# KiCad board Europe-ergo.kicad_pcb (continued)
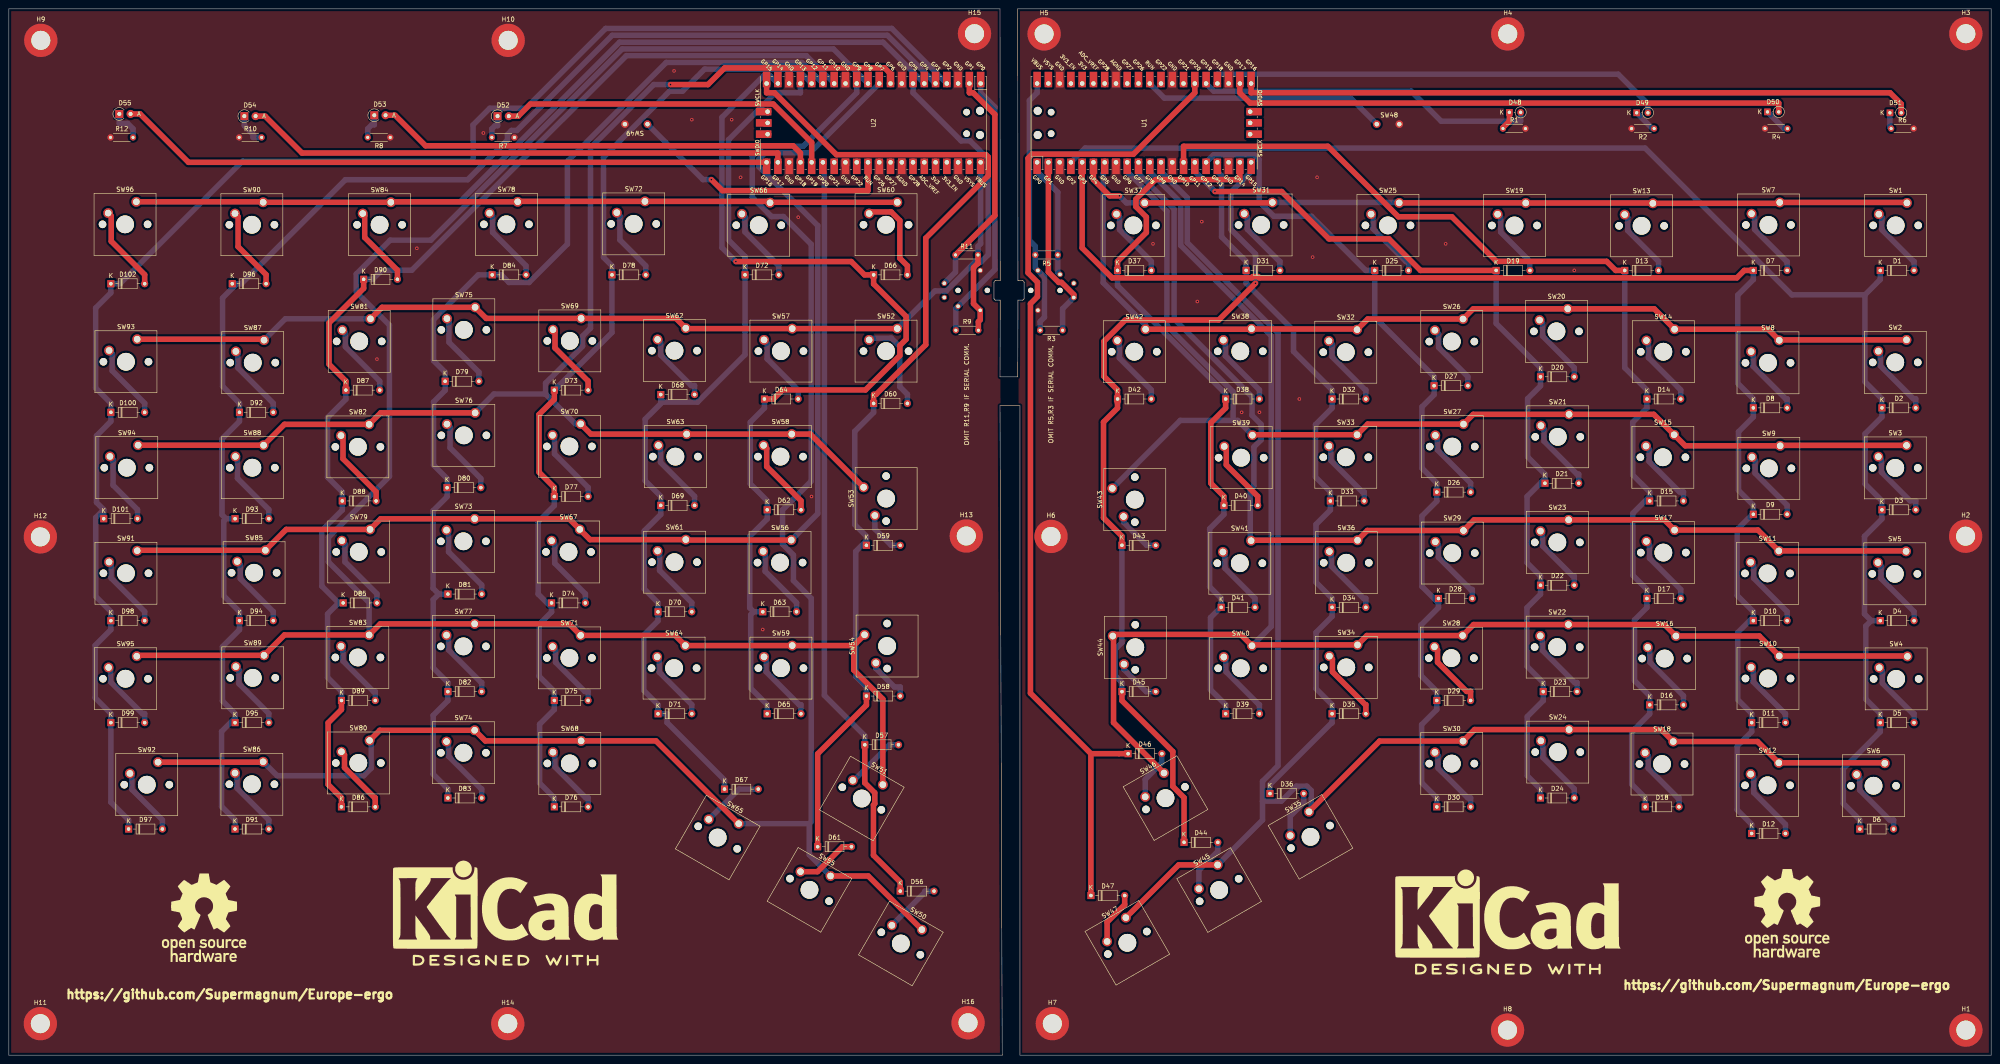
[diagram p0: board, top side]
## Nets
GNDL: H9.1 H10.1 H11.1 H12.1 H13.1 H14.1 H15.1 H16.1 J2.1 R7.1 R8.1 R10.1 R12.1 SW49.2 U2.3 U2.8 U2.13 U2.18 U2.23 U2.28 U2.31 U2.33 U2.38
GNDR: H1.1 H2.1 H3.1 H4.1 H5.1 H6.1 H7.1 H8.1 J1.1 R1.2 R2.2 R4.2 R6.2 SW48.2 U1.3 U1.8 U1.13 U1.18 U1.23 U1.28 U1.33 U1.38
VCCL: J2.4 R9.2 R11.2 U2.40
VCCR: J1.4 R3.2 R5.2 U1.40
/RUN: SW48.1 U1.30
Arrow-Left: D56.1 D57.1 U2.26
Arrow-Right: D46.1 D47.1 U1.26
COL1: D97.1 D98.1 D99.1 D100.1 D101.1 D102.1 U2.4
COL1R: D1.1 D2.1 D3.1 D4.1 D5.1 D6.1 U1.4
COL2: D91.1 D92.1 D93.1 D94.1 D95.1 D96.1 U2.5
COL2R: D7.1 D8.1 D9.1 D10.1 D11.1 D12.1 U1.5
COL3: D85.1 D86.1 D87.1 D88.1 D89.1 D90.1 U2.14
COL3R: D13.1 D14.1 D15.1 D16.1 D17.1 D18.1 U1.14
COL4: D79.1 D80.1 D81.1 D82.1 D83.1 D84.1 U2.15
COL4R: D19.1 D20.1 D21.1 D22.1 D23.1 D24.1 U1.15
COL5: D73.1 D74.1 D75.1 D76.1 D77.1 D78.1 U2.16
COL5R: D25.1 D26.1 D27.1 D28.1 D29.1 D30.1 U1.16
COL6: D67.1 D68.1 D69.1 D70.1 D71.1 D72.1 U2.17
COL6R: D31.1 D32.1 D33.1 D34.1 D35.1 D36.1 U1.17
COL7: D62.1 D63.1 D64.1 D65.1 D66.1 U2.19
COL7R: D37.1 D38.1 D39.1 D40.1 D41.1 U1.19
COL8: D58.1 D59.1 D60.1 D61.1 U2.20
COL8R: D42.1 D43.1 D44.1 D45.1 U1.20
PWM1: D55.2 U2.21
PWM1R: D51.2 U1.21
PWM2: D54.2 U2.22
PWM2R: D50.2 U1.22
PWM3: D53.2 U2.24
PWM3R: D49.2 U1.24
PWM4: D52.2 U2.25
PWM4R: D48.2 U1.25
ROW1: SW60.1 SW66.1 SW72.1 SW78.1 SW84.1 SW90.1 SW96.1 U2.6
ROW1R: SW1.1 SW7.1 SW13.1 SW19.1 SW25.1 SW31.1 SW37.1 U1.6
ROW2: SW52.1 SW57.1 SW62.1 SW69.1 SW75.1 SW81.1 SW87.1 SW93.1 U2.7
ROW2R: SW2.1 SW8.1 SW14.1 SW20.1 SW26.1 SW32.1 SW38.1 SW42.1 U1.7
ROW3: SW53.1 SW58.1 SW63.1 SW70.1 SW76.1 SW82.1 SW88.1 SW94.1 U2.9
ROW3R: SW3.1 SW9.1 SW15.1 SW21.1 SW27.1 SW33.1 SW39.1 SW43.1 U1.9
ROW4: SW56.1 SW61.1 SW67.1 SW73.1 SW79.1 SW85.1 SW91.1 U2.10
ROW4R: SW5.1 SW11.1 SW17.1 SW23.1 SW29.1 SW36.1 SW41.1 U1.10
ROW5: SW51.1 SW54.1 SW59.1 SW64.1 SW71.1 SW77.1 SW83.1 SW89.1 SW95.1 U2.11
ROW5R: SW4.1 SW10.1 SW16.1 SW22.1 SW28.1 SW34.1 SW40.1 SW44.1 SW46.1 U1.11
ROW6: SW50.1 SW55.1 SW65.1 SW68.1 SW74.1 SW80.1 SW86.1 SW92.1 U2.12
ROW6R: SW6.1 SW12.1 SW18.1 SW24.1 SW30.1 SW35.1 SW45.1 SW47.1 U1.12
SCL I2C0: J2.3 R11.1 U2.2
sclR: J1.3 R3.1 U1.2
SDA I2C0: J2.2 R9.1 U2.1
sdaR: J1.2 R5.1 U1.1
Net-(D1-Pad2): D1.2 SW1.2
Net-(D2-Pad2): D2.2 SW2.2
Net-(D3-Pad2): D3.2 SW3.2
Net-(D4-Pad2): D4.2 SW5.2
Net-(D5-Pad2): D5.2 SW4.2
Net-(D6-Pad2): D6.2 SW6.2
Net-(D7-Pad2): D7.2 SW7.2
Net-(D8-Pad2): D8.2 SW8.2
Net-(D9-Pad2): D9.2 SW9.2
Net-(D10-Pad2): D10.2 SW11.2
Net-(D11-Pad2): D11.2 SW10.2
Net-(D12-Pad2): D12.2 SW12.2
Net-(D13-Pad2): D13.2 SW13.2
Net-(D14-Pad2): D14.2 SW14.2
Net-(D15-Pad2): D15.2 SW15.2
Net-(D16-Pad2): D16.2 SW16.2
Net-(D17-Pad2): D17.2 SW17.2
Net-(D18-Pad2): D18.2 SW18.2
Net-(D19-Pad2): D19.2 SW19.2
Net-(D20-Pad2): D20.2 SW20.2
Net-(D21-Pad2): D21.2 SW21.2
Net-(D22-Pad2): D22.2 SW23.2
Net-(D23-Pad2): D23.2 SW22.2
Net-(D24-Pad2): D24.2 SW24.2
Net-(D25-Pad2): D25.2 SW25.2
Net-(D26-Pad2): D26.2 SW27.2
Net-(D27-Pad2): D27.2 SW26.2
Net-(D28-Pad2): D28.2 SW29.2
Net-(D29-Pad2): D29.2 SW28.2
Net-(D30-Pad2): D30.2 SW30.2
Net-(D31-Pad2): D31.2 SW31.2
Net-(D32-Pad2): D32.2 SW32.2
Net-(D33-Pad2): D33.2 SW33.2
Net-(D34-Pad2): D34.2 SW36.2
Net-(D35-Pad2): D35.2 SW34.2
Net-(D36-Pad2): D36.2 SW35.2
Net-(D37-Pad2): D37.2 SW37.2
Net-(D38-Pad2): D38.2 SW38.2
Net-(D39-Pad2): D39.2 SW40.2
Net-(D40-Pad2): D40.2 SW39.2
Net-(D41-Pad2): D41.2 SW41.2
Net-(D42-Pad2): D42.2 SW42.2
Net-(D43-Pad2): D43.2 SW43.2
Net-(D44-Pad2): D44.2 SW45.2
Net-(D45-Pad2): D45.2 SW44.2
Net-(D46-Pad2): D46.2 SW46.2
Net-(D47-Pad2): D47.2 SW47.2
Net-(D48-Pad1): D48.1 R1.1
Net-(D49-Pad1): D49.1 R2.1
Net-(D50-Pad1): D50.1 R4.1
Net-(D51-Pad1): D51.1 R6.1
Net-(D52-Pad1): D52.1 R7.2
Net-(D53-Pad1): D53.1 R8.2
Net-(D54-Pad1): D54.1 R10.2
Net-(D55-Pad1): D55.1 R12.2
Net-(D56-Pad2): D56.2 SW50.2
Net-(D57-Pad2): D57.2 SW51.2
Net-(D58-Pad2): D58.2 SW54.2
Net-(D59-Pad2): D59.2 SW53.2
Net-(D60-Pad2): D60.2 SW52.2
Net-(D61-Pad2): D61.2 SW55.2
Net-(D62-Pad2): D62.2 SW58.2
Net-(D63-Pad2): D63.2 SW56.2
Net-(D64-Pad2): D64.2 SW57.2
Net-(D65-Pad2): D65.2 SW59.2
Net-(D66-Pad2): D66.2 SW60.2
Net-(D67-Pad2): D67.2 SW65.2
Net-(D68-Pad2): D68.2 SW62.2
Net-(D69-Pad2): D69.2 SW63.2
Net-(D70-Pad2): D70.2 SW61.2
Net-(D71-Pad2): D71.2 SW64.2
Net-(D72-Pad2): D72.2 SW66.2
Net-(D73-Pad2): D73.2 SW69.2
Net-(D74-Pad2): D74.2 SW67.2
Net-(D75-Pad2): D75.2 SW71.2
Net-(D76-Pad2): D76.2 SW68.2
Net-(D77-Pad2): D77.2 SW70.2
Net-(D78-Pad2): D78.2 SW72.2
Net-(D79-Pad2): D79.2 SW75.2
Net-(D80-Pad2): D80.2 SW76.2
Net-(D81-Pad2): D81.2 SW73.2
Net-(D82-Pad2): D82.2 SW77.2
Net-(D83-Pad2): D83.2 SW74.2
Net-(D84-Pad2): D84.2 SW78.2
Net-(D85-Pad2): D85.2 SW79.2
Net-(D86-Pad2): D86.2 SW80.2
Net-(D87-Pad2): D87.2 SW81.2
Net-(D88-Pad2): D88.2 SW82.2
Net-(D89-Pad2): D89.2 SW83.2
Net-(D90-Pad2): D90.2 SW84.2
Net-(D91-Pad2): D91.2 SW86.2
Net-(D92-Pad2): D92.2 SW87.2
Net-(D93-Pad2): D93.2 SW88.2
Net-(D94-Pad2): D94.2 SW85.2
Net-(D95-Pad2): D95.2 SW89.2
Net-(D96-Pad2): D96.2 SW90.2
Net-(D97-Pad2): D97.2 SW92.2
Net-(D98-Pad2): D98.2 SW91.2
Net-(D99-Pad2): D99.2 SW95.2
Net-(D100-Pad2): D100.2 SW93.2
Net-(D101-Pad2): D101.2 SW94.2
Net-(D102-Pad2): D102.2 SW96.2
Net-(SW49-Pad1): SW49.1 U2.30

Pads without a net: J1 5; J2 5; U1 27 29 31 32 34 35 36 37 39 41 42 43; U2 27 29 32 34 35 36 37 39 41 42 43

## Via types
v1: diameter 0.8, hole 0.4, Top to Bottom, 27 vias

## Routing (per net, layer and track width the routed paths; a pad name or vN(x,y) marks a point on that pad's centre or on a via; arc(x,y) is an arc through that point)
GNDL:
  vias: v1(83,157) v1(92,182) v1(107,208) v1(150,222) v1(154,211) v1(163,211) v1(165,198) v1(170,96) v1(178,189) v1(181,126)
GNDR:
  vias: v1(258,183) v1(268,170) v1(269,188) v1(278,145) v1(280,197) v1(282,145) v1(291,148) v1(294,180) v1(295,198) v1(324,183) v1(353,177)
VCCL: length 39.4
  Top w1.24: R9.2 218.62,165.44 219.04,165.87 J2.4 217.53,169.51 217.53,177.64 218.44,178.56 218.54,178.56 R11.2
  Bottom w1.24: R11.2 218.54,182.44 219.13,183.03 U2.40
VCCR: length 58.2
  Bottom w1.24: U1.40 231.87,217.07 230.13,215.33 230.13,183.78 231.46,182.44 R5.2 231.46,177.58 J1.4 233.52,175.52 233.52,166.43 232.54,165.44 R3.2
/RUN: length 55
  Bottom w1.24: SW48.1 302.58,215.88 260.56,215.88 U1.30
Arrow-Left: length 171.8
  Top w1.24: D56.1 201,39.04 194.96,45.08 194.96,56.44 195.26,56.74 195.26,59.17 193,61.43 D57.1
  Bottom w1.24: D57.1 193,72.04 183.89,81.15 183.89,198.97 183.57,199.29 U2.26
Arrow-Right: length 227.7
  Top w1.24: 244,68 D47.1 ; 244,68 230.36,81.64 230.36,169.5 231.95,171.09 231.95,174.33 229.83,176.44 229.83,202.3 230.77,203.23 253.59,203.23 267.43,217.07 U1.26 ; 244,68 D46.1
COL1: length 358.9
  Bottom w1.24: 21.38,123.04 19.76,124.66 19.76,139.72 23,142.95 D100.1 23,147.05 19.57,150.47 19.57,168.53 23,171.95 D102.1 25.05,174 52.71,201.67 104.67,201.67 104.67,209.81 108.43,213.57 116.57,213.57 134.58,231.58 199.1,231.58 U2.4 ; 21.38,123.04 D101.1 ; 21.38,123.04 19.58,121.25 19.58,103.46 23,100.04 D98.1 23,95.96 19.46,92.42 19.46,80.58 23,77.04 D99.1 23,57.04 27,53.04 D97.1
COL1R: length 337.4
  Bottom w1.24: 419.95,98 418.44,99.51 418.44,117.02 422.38,120.96 D3.1 422.38,125.04 418.58,128.85 418.58,140.15 422.38,143.95 D2.1 422.38,148.05 418.54,151.89 418.54,171.49 ; 419.95,98 418.74,96.79 418.74,80.3 422,77.04 D5.1 422,72.96 413.67,64.63 413.67,56.75 417.38,53.04 D6.1 ; 419.95,98 D4.1 ; 418.54,171.49 422,174.95 D1.1 ; 418.54,171.49 402.07,171.49 368.96,204.6 242.7,204.6 U1.4
COL2: length 324.9
  Bottom w1.24: D95.1 51,76.02 ; 51,76.02 47.97,72.99 47.97,56.08 51,53.04 D91.1 ; 51,76.02 51,77.04 48.17,79.88 48.17,92.12 52,95.96 D94.1 52,100.04 48.46,103.58 48.46,120.51 48.96,121 ; D93.1 48.96,121 ; 48.96,121 48.06,121.89 48.06,139.02 52,142.95 D92.1 52,147.05 48.19,150.85 48.19,170.79 51.4,174 ; 51.4,174 D96.1 ; 51.4,174 52.43,174 75.89,197.47 103.47,197.47 112.43,206.43 112.43,207.65 113.35,208.57 114.57,208.57 136.05,230.05 198.09,230.05 U2.5
COL2R: length 316.6
  Top w1.24: D7.1 391.33,177 389.66,175.33 282.01,175.33 281.74,175.6 280.5,175.6 280.23,175.33 248.76,175.33 242.03,182.06 U1.5
  Bottom w1.24: 393.38,98.84 393.38,100.04 389.73,103.69 389.73,118.57 393.38,122.22 ; 393.38,98.84 D10.1 ; 393.38,98.84 389.85,95.31 389.85,80.2 393,77.04 D11.1 393,72.96 389.73,69.69 389.73,55.31 393,52.04 D12.1 ; D7.1 393.38,174.95 389.87,171.44 389.87,151.56 393.38,148.05 D8.1 393.38,143.95 390.03,140.61 390.03,127.39 393.38,124.04 393.38,122.22 ; 393.38,122.22 D9.1
COL3: length 265.8
  Top w1.24: D86.1 75,58.04 72,61.05 72,74.95 75,77.96 D89.1 ; D90.1 80,172.95 72.2,165.15 72.2,155.85 76,152.05 D87.1
  Bottom w1.24: D89.1 75,82.04 71.87,85.18 71.87,99.51 74.36,102 ; D85.1 74.36,102 ; 74.36,102 70.58,105.78 70.58,118.34 75.19,122.96 D88.1 75.19,127.04 71.87,130.37 71.87,143.82 76,147.95 D87.1 ; U2.14 179.83,225.45 139.25,225.45 90.85,177.05 84.09,177.05 82.04,175 D90.1
COL3R: length 250.1
  Top w1.24: U1.14 264.89,205 297.44,205 313.33,189.11 325.38,189.11 335.44,179.05 360.29,179.05 362.33,177 D13.1
  Bottom w1.24: D15.1 370,126.02 ; 370,126.02 370,127.04 366.17,130.87 366.17,142.75 369.38,145.95 D14.1 369.38,150.05 364.38,155.05 D13.1 ; 370,126.02 366.22,122.25 366.22,108.2 369.38,105.04 D17.1 369.38,100.96 366.58,98.15 366.58,84.47 370,81.04 D16.1 370,76.96 365.94,72.9 365.94,61.1 369,58.04 D18.1
COL4: length 246
  Bottom w1.24: D83.1 99,60.04 95.68,63.36 95.68,76.64 99,79.96 D82.1 99,84.04 95.69,87.36 95.69,102.73 96.96,104 ; D81.1 96.96,104 ; 96.96,104 95.65,105.3 95.65,122.8 98.81,125.96 D80.1 98.81,130.04 95.77,133.09 95.77,147.34 98.38,149.95 D79.1 98.38,154.05 95.77,156.66 95.77,165.91 105.85,176 D84.1 111.04,176 112.75,174.29 117.32,174.29 125.95,182.93 125.95,201.62 148.24,223.91 178.83,223.91 U2.15
COL4R: length 214.7
  Top w1.24: D19.1 318.32,177 311.21,184.11 297.68,184.11 287,194.8 v1(271.97,194.8)
  Bottom w1.24: D21.1 346.38,130.02 ; 346.38,130.02 342.36,126 342.36,111.07 345.38,108.04 D22.1 345.38,103.96 342.33,100.91 342.33,87.71 346,84.04 D23.1 346,79.96 342.4,76.35 342.4,63.03 345.38,60.04 D24.1 ; 346.38,130.02 346.38,131.04 342.48,134.95 342.48,148.05 345.38,150.95 D20.1 345.38,155.05 335.38,165.05 D19.1 ; U1.15 267.43,199.29 267.48,199.29 v1(271.97,194.8)
COL5: length 221.2
  Top w1.24: D77.1 123,128.04 119.56,131.49 119.56,144.51 123,147.95 D73.1
  Bottom w1.24: D77.1 123,123.96 119.36,120.32 119.36,104 122.38,100.98 ; 122.38,100.98 122.38,99.96 119.58,97.15 119.58,85.47 123,82.04 D75.1 123,77.96 119.68,74.63 119.68,61.37 123,58.04 D76.1 ; 122.38,100.98 D74.1 ; U2.16 177.79,222.41 156.9,222.41 151.92,217.43 148.99,217.43 134.09,202.53 134.09,179.96 136,178.05 D78.1 136,163 D73.1
COL5R: length 194.1
  Bottom w1.24: D30.1 322,58.04 318.57,61.47 318.57,74.53 322,77.96 D29.1 322,82.04 318.43,85.61 318.43,97.01 322.38,100.96 322.38,101.98 ; U1.16 271.69,203.11 280.85,203.11 281.94,202.02 281.94,192.53 285.26,189.21 293.75,189.21 305.95,177 D25.1 308,166.43 321.38,153.05 D27.1 321.38,148.95 318.65,146.23 318.65,132.39 322,129.04 D26.1 322,124.96 318.66,121.61 318.66,105.7 322.38,101.98 ; 322.38,101.98 D28.1
COL6: length 201.2
  Bottom w1.24: 147,147.86 147,146.95 143.49,143.44 143.49,129.56 147,126.04 D69.1 147,121.96 143.29,118.24 143.29,105.14 146.38,102.04 D70.1 146.38,97.96 143.17,94.74 143.17,82.26 146.38,79.04 D71.1 148.43,77 148.43,75 161.38,62.04 D67.1 ; 147,147.86 D68.1 ; 147,147.86 147.56,147.3 155.31,147.3 166,158 D72.1 166,180.15 162.28,183.87 162.28,206.49 172.87,217.07 178.49,217.07 U2.17
COL6R: length 167.7
  Bottom w1.24: D36.1 284.38,61.04 298.29,74.96 298.38,74.96 D35.1 298.38,79.04 294.77,82.66 294.77,95.34 298.38,98.96 D34.1 298.38,103.04 294.76,106.67 294.76,119.71 298,122.96 D33.1 298,127.04 294.65,130.4 294.65,142.22 298.38,145.95 D32.1 298.38,150.05 289.69,158.74 289.69,163.44 279,174.12 D31.1 279,179.05 273.46,184.58 273.46,198.34 272.51,199.29 U1.17
COL7: length 219.6
  Top w1.24: v1(163.94,179) 189.95,179 192.95,176 D66.1 195,173.95 202.33,166.62 202.33,161.48 200.92,160.06 200.92,157.8 193.16,150.05 174.47,150.05 172.43,148 D64.1
  Bottom w1.24: D64.1 170.38,145.95 167.19,142.77 167.19,128.85 171,125.04 D62.1 171,120.96 167.06,117.01 167.06,100.9 167.96,100 ; D63.1 167.96,100 ; 167.96,100 167.28,99.32 167.28,82.77 171,79.04 D65.1 ; v1(163.94,179) 160.79,182.15 160.79,211.53 170.19,220.92 171.66,220.92 U2.19
COL7R: length 166.6
  Top w1.24: D37.1 250,179.05 256.5,185.55 256.5,189.03 254.15,191.38 254.15,193.08 258.56,197.49 277.59,197.49 U1.19 ; D38.1 274.38,145.95 271.03,142.61 271.03,129.01 274,126.04 D40.1
  Bottom w1.24: D39.1 274.38,79.04 270.96,82.46 270.96,98.69 273.38,101.11 ; D41.1 273.38,101.11 ; 273.38,101.11 273.38,103.04 270.78,105.65 270.78,118.73 274,121.96 D40.1 ; D37.1 250,173.56 274.38,149.18 D38.1
COL8: length 235.1
  Top w1.24: D60.1 195,149.05 195.56,149.05 206.76,160.24 206.76,184.28 220.85,198.37 220.85,202.59 220.34,203.11 186.62,203.11 172.66,217.07 170.87,217.07 U2.20 ; D61.1 182.38,67.96 193.38,78.96 D58.1
  Bottom w1.24: D58.1 193.38,83.04 190.96,85.46 190.96,113.6 193.38,116.02 ; D60.1 195,144.95 190.75,140.7 190.75,119.68 193.38,117.04 193.38,116.02 ; D59.1 193.38,116.02
COL8R: length 195.5
  Top w1.24: D43.1 251,117.04 246.84,121.21 246.84,142.79 250,145.95 D42.1 250,150.05 246.95,153.1 246.95,161.03 251.73,165.81 272.82,165.81 v1(281.12,174.11) ; D44.1 265,58.07 262.47,60.6 262.47,68.48 251,79.96 D45.1
  Bottom w1.24: U1.20 280.13,199.29 275.57,194.73 275.57,186.24 281.12,180.69 v1(281.12,174.11) ; D43.1 251,93.06 249.44,91.5 249.44,85.61 251,84.04 D45.1
PWM1: length 148
  Top w1.24: D55.2 29.58,212.3 40.5,201.38 U2.21
PWM1R: length 151.7
  Top w1.24: U1.21 280.13,217.07 424.2,217.07 426.72,214.56 D51.2
PWM2: length 123.3
  Top w1.24: D54.2 57.78,211.8 66.1,203.48 173.41,203.48 U2.22
PWM2R: length 126.6
  Top w1.24: D50.2 399.1,214.75 279.9,214.75 277.59,217.07 U1.22
PWM3: length 99.2
  Top w1.24: U2.24 178.49,203.48 176.85,205.12 93.97,205.12 87.09,212 D53.2
PWM3R: length 104
  Bottom w1.24: D49.2 369.6,214.56 362.9,221.26 272.51,221.26 U1.24
PWM4: length 77.5
  Top w1.24: D52.2 114.88,211.8 117.62,214.54 172.35,214.54 181.03,205.85 U2.25
PWM4R: length 76.5
  Bottom w1.24: D48.2 340.9,210.66 322.99,210.66 316.21,217.44 271.69,217.44 U1.25
ROW1: length 311
  Top w1.24: SW60.1 171.74,192.38 SW66.1 171.34,192.58 SW72.1 114.84,192.58 SW78.1 86.24,192.48 SW84.1 SW90.1 57.24,192.48 SW96.1
  Bottom w1.24: U2.6 197.12,228.48 137.7,228.48 101.6,192.38 SW84.1
ROW1R: length 189.8
  Top w1.24: SW31.1 284.82,192.24 SW37.1 ; SW25.1 342.04,192.24 SW19.1 370.64,192.22 SW13.1 399.12,192.14 SW7.1 427.92,192.34 SW1.1 ; U1.6 244.57,197.49 248.23,193.83 v1(250.43,193.83)
  Bottom w1.24: v1(250.43,193.83) 252.01,192.24 SW37.1 ; SW31.1 313.42,192.34 SW25.1
ROW2: length 250.8
  Top w1.24: SW93.1 57.34,161.48 SW87.1 ; SW52.1 SW57.1 152.74,163.88 SW62.1 150.44,166.18 SW69.1 107.64,166.18 SW75.1 84.14,168.68 SW81.1
  Bottom w1.24: SW81.1 62.34,166.08 SW87.1 ; U2.7 203.89,217.07 214.73,206.23 216.75,206.23 220.85,202.12 220.85,180.54 219.23,178.91 217.92,178.91 211.38,172.37 208.83,172.37 SW52.1
ROW2R: length 218.4
  Top w1.24: 280.22,163.79 303.87,163.79 SW32.1 306.42,166.04 SW26.1 330.22,168.34 SW20.1 371.02,168.34 SW14.1 396.72,163.74 SW8.1 399.32,161.34 SW2.1 ; 280.22,163.79 SW38.1 ; 280.22,163.79 280.17,163.74 SW42.1
  Bottom w1.24: SW42.1 256.32,164.68 246.76,174.24 246.76,198.94 247.11,199.29 U1.7
ROW3: length 314.7
  Top w1.24: SW94.1 SW88.1 62.14,142.28 SW82.1 83.84,144.88 SW76.1 ; U2.9 198.81,221.36 197.48,222.69 161.41,222.69 157.65,218.92 v1(149.2,218.92) ; SW53.1 180.74,140.08 SW58.1 SW63.1 131.24,140.08 SW70.1
  Bottom w1.24: SW76.1 109.39,149.13 121.02,149.13 ; 121.02,149.13 121.02,151.56 129.37,159.91 129.37,162.18 131.16,163.97 131.16,204.68 145.4,218.92 v1(149.2,218.92) ; 121.02,149.13 127.77,142.38 SW70.1
ROW3R: length 259.9
  Top w1.24: SW39.1 280.52,139.94 SW33.1 306.42,142.34 SW27.1 330.22,144.54 SW21.1 370.92,144.54 SW15.1 378.02,137.44 SW9.1 399.52,137.54 SW3.1
  Bottom w1.24: 276.07,143.18 277.08,143.18 SW39.1 ; 276.07,143.18 276.07,149.59 261.14,164.53 261.14,190.34 252.19,199.29 U1.9 ; 276.07,143.18 264.16,143.18 SW43.1
ROW4: length 280.6
  Top w1.24: SW91.1 29.04,113.88 SW85.1 62.54,118.58 SW79.1 83.84,120.98 SW73.1 126.34,120.98 SW67.1 131.04,116.28 SW61.1 152.74,116.18 SW56.1
  Bottom w1.24: U2.10 180.62,203.52 170.54,203.52 169.13,202.1 169.13,200.39 182.4,187.11 182.4,122.14 SW56.1
ROW4R: length 250.5
  Top w1.24: SW5.1 427.72,113.74 SW11.1 394.42,118.44 SW17.1 373.32,120.74 SW23.1 330.42,120.74 SW29.1 306.32,118.34 SW36.1 280.22,116.14 SW41.1
  Bottom w1.24: SW41.1 279.92,116.24 279.92,127.6 280.75,128.43 280.75,137.16 282.39,138.8 282.39,142.26 280.33,144.32 280.33,148.5 262.76,166.07 262.76,190.83 254.73,198.86 U1.10
ROW5: length 437.9
  Top w1.24: 190.52,92.38 SW54.1 ; 190.52,92.38 SW59.1 SW64.1 150.24,94.68 SW71.1 126.34,97.28 SW77.1 83.74,97.28 SW83.1 62.14,94.78 SW89.1 29.04,90.18 SW95.1 ; 190.52,92.38 190.52,86.87 197.08,80.31 SW51.1
  Bottom w1.24: U2.11 185.94,226.96 138.29,226.96 95.16,183.83 85.98,183.83 78.33,176.18 78.33,172.15 85.82,164.66 85.82,130.56 72.07,116.8 72.07,111.24 81.24,102.07 SW83.1
ROW5R: length 343.2
  Top w1.24: SW44.1 249.1,94.54 ; 249.1,94.54 249.1,75.02 SW46.1 ; 249.1,94.54 249.46,94.9 277.76,94.9 SW40.1 280.52,92.54 SW34.1 306.22,94.64 SW28.1 330.3,97.12 SW22.1 373.34,97.12 SW16.1 394.72,94.54 SW10.1 428.02,90.04 SW4.1
  Bottom w1.24: SW40.1 284.68,96.7 284.68,162.21 264.25,182.64 264.25,192.31 257.27,199.29 U1.11
ROW6: length 399.5
  Top w1.24: SW86.1 57.24,66.08 SW92.1 ; SW50.1 193.78,40.41 SW55.1 ; SW80.1 83.64,73.28 SW74.1 107.44,70.88 SW68.1 145.91,70.88 SW65.1
  Bottom w1.24: 180.5,52.21 180.5,45.19 SW55.1 ; 180.5,52.21 SW65.1 ; 180.5,52.21 180.94,52.65 180.94,103.02 176.92,107.04 176.92,112.81 174.47,115.26 174.47,123 180.91,129.45 180.91,182.9 174.67,189.15 171.98,189.15 167.62,193.51 167.62,202.71 169.92,205.01 179.13,205.01 191.19,217.07 U2.12 ; SW86.1 60.49,63.03 80.01,63.03 81.7,64.72 81.7,70.62 SW80.1
ROW6R: length 359.1
  Top w1.24: SW47.1 263.78,42.91 SW45.1 ; SW6.1 422.92,65.94 SW12.1 394.32,70.74 SW18.1 372.62,73.44 SW24.1 330.52,73.44 SW30.1 309.11,70.84 SW35.1
  Bottom w1.24: U1.12 259.81,199.29 265.74,193.36 265.74,183.26 286.19,162.81 286.19,65.27 282.7,61.78 282.7,57.3 ; 282.7,57.3 282.7,53.03 SW45.1 ; 282.7,57.3 286.95,57.3 290.32,60.67 292.71,60.67 293.69,59.69 293.69,55.42 SW35.1
SCL I2C0: length 52.7
  Top w1.24: R11.1 222.34,189.38 222.34,212.18 217.46,217.07 216.59,217.07 U2.2
  Bottom w1.24: J2.3 213.46,176.62 R11.1
sclR: length 41.7
  Top w1.24: J1.3 240.14,171.53 237.37,174.3 236.74,174.3 234.41,176.63 U1.2
  Bottom w1.24: R3.1 237.62,168.38 J1.3
SDA I2C0: length 60.6
  Bottom w1.24: U2.1 219.13,217.07 222.35,213.85 222.35,177.21 J2.2 213.54,168.4 R9.1
sdaR: length 27.4
  Bottom w1.24: J1.2 236.54,176.6 R5.1 236.54,194.62 231.87,199.29 U1.1
Net-(D1-Pad2): length 16.1
  Bottom w1.24: D1.2 429.62,179.05 429.49,179.05 422.37,186.17 422.37,189 SW1.2
Net-(D2-Pad2): length 16.6
  Bottom w1.24: SW2.2 422.02,158.35 422.02,155.5 429.47,148.05 430,148.05 D2.2
Net-(D3-Pad2): length 16.2
  Bottom w1.24: SW3.2 422.26,134.31 422.26,131.5 428.72,125.04 430,125.04 D3.2
Net-(D4-Pad2): length 16.5
  Bottom w1.24: D4.2 429.62,100.04 422.17,107.5 422.17,110.41 SW5.2
Net-(D5-Pad2): length 15.8
  Bottom w1.24: D5.2 429.62,77.04 429.33,77.04 422.46,83.91 422.46,86.71 SW4.2
Net-(D6-Pad2): length 16.3
  Bottom w1.24: D6.2 425,53.04 424.11,53.04 417.37,59.79 417.37,62.6 SW6.2
Net-(D7-Pad2): length 16.2
  Bottom w1.24: D7.2 401,179.05 400.87,179.05 393.67,186.25 393.67,189.11 SW7.2
Net-(D8-Pad2): length 16.3
  Bottom w1.24: D8.2 401,148.05 400.68,148.05 393.32,155.41 393.32,158.25 SW8.2
Net-(D9-Pad2): length 16.2
  Bottom w1.24: SW9.2 393.76,134.21 393.76,131.28 401,124.04 D9.2
Net-(D10-Pad2): length 16.6
  Bottom w1.24: SW11.2 393.46,110.5 393.46,107.58 401,100.04 D10.2
Net-(D11-Pad2): length 15.8
  Bottom w1.24: SW10.2 393.33,87.04 393.33,84.23 400.51,77.04 400.62,77.04 D11.2
Net-(D12-Pad2): length 16.7
  Bottom w1.24: D12.2 400.62,52.04 393.46,59.2 393.46,62.71 SW12.2
Net-(D13-Pad2): length 15.8
  Bottom w1.24: SW13.2 365.06,188.91 365.06,185.98 372,179.05 D13.2
Net-(D14-Pad2): length 16.4
  Bottom w1.24: D14.2 377,150.05 369.73,157.32 369.73,160.74 SW14.2
Net-(D15-Pad2): length 16.4
  Bottom w1.24: D15.2 377.62,127.04 376.73,127.04 369.87,133.91 369.87,136.7 SW15.2
Net-(D16-Pad2): length 16.3
  Bottom w1.24: D16.2 377.62,81.04 370.03,88.64 370.03,91.54 SW16.2
Net-(D17-Pad2): length 16.1
  Bottom w1.24: SW17.2 369.96,115.21 369.96,112.08 377,105.04 D17.2
Net-(D18-Pad2): length 15.5
  Bottom w1.24: SW18.2 369.67,67.5 369.67,64.71 376.33,58.04 376.62,58.04 D18.2
Net-(D19-Pad2): length 15.7
  Bottom w1.24: SW19.2 336.4,188.99 336.4,185.64 343,179.05 D19.2
Net-(D20-Pad2): length 16
  Bottom w1.24: SW20.2 345.87,165.11 345.87,162.18 353,155.05 D20.2
Net-(D21-Pad2): length 16.8
  Bottom w1.24: D21.2 354,131.04 353.62,131.04 346.17,138.5 346.17,141.31 SW21.2
Net-(D22-Pad2): length 15.5
  Bottom w1.24: SW23.2 345.83,117.74 345.83,114.9 352.68,108.04 353,108.04 D22.2
Net-(D23-Pad2): length 16.3
  Bottom w1.24: SW22.2 345.78,94.13 345.78,91.33 353.06,84.04 353.62,84.04 D23.2
Net-(D24-Pad2): length 16
  Bottom w1.24: D24.2 353,60.04 345.93,67.12 345.93,70.44 SW24.2
Net-(D25-Pad2): length 16.6
  Bottom w1.24: D25.2 315.62,179.05 314.98,179.05 307.62,186.41 307.62,189.25 SW25.2
Net-(D26-Pad2): length 16.1
  Bottom w1.24: SW27.2 322.12,139.35 322.12,136.54 329.62,129.04 D26.2
Net-(D27-Pad2): length 15.6
  Bottom w1.24: SW26.2 322.41,162.66 322.41,159.64 329,153.05 D27.2
Net-(D28-Pad2): length 16.5
  Bottom w1.24: D28.2 330,105.04 329.62,105.04 322.37,112.3 322.37,115.1 SW29.2
Net-(D29-Pad2): length 16
  Top w1.24: D29.2 329.62,82.04 328.73,82.04 322.17,88.61 322.17,91.41 SW28.2
Net-(D30-Pad2): length 16
  Bottom w1.24: D30.2 329.62,58.04 328.98,58.04 322.26,64.76 322.26,67.6 SW30.2
Net-(D31-Pad2): length 16.2
  Bottom w1.24: SW31.2 279.26,189.11 279.26,186.31 286.53,179.05 286.62,179.05 D31.2
Net-(D32-Pad2): length 16.6
  Bottom w1.24: D32.2 306,150.05 305.87,150.05 298.37,157.55 298.37,160.41 SW32.2
Net-(D33-Pad2): length 15.9
  Bottom w1.24: D33.2 305.62,127.04 305.2,127.04 298.13,134.11 298.13,136.94 SW33.2
Net-(D34-Pad2): length 16.3
  Bottom w1.24: D34.2 306,103.04 305.47,103.04 298.22,110.3 298.22,113.15 SW36.2
Net-(D35-Pad2): length 16.5
  Top w1.24: SW34.2 298.46,89.31 298.46,86.45 305.87,79.04 306,79.04 D35.2
Net-(D36-Pad2): length 10.7
  Bottom w1.24: SW35.2 288.95,53.91 292,56.96 D36.2
Net-(D37-Pad2): length 16
  Bottom w1.24: SW37.2 250.46,189 250.46,186.2 257.62,179.05 D37.2
Net-(D38-Pad2): length 16.7
  Bottom w1.24: D38.2 282,150.05 274.32,157.72 274.32,160.85 SW38.2
Net-(D39-Pad2): length 16.2
  Bottom w1.24: SW40.2 274.43,89.34 274.43,86.51 281.89,79.04 282,79.04 D39.2
Net-(D40-Pad2): length 16.4
  Top w1.24: SW39.2 274.53,136.84 274.53,133.14 281.62,126.04 D40.2
Net-(D41-Pad2): length 15.5
  Bottom w1.24: D41.2 281,103.04 274.23,109.82 274.23,113.04 SW41.2
Net-(D42-Pad2): length 16.4
  Bottom w1.24: D42.2 257.62,150.05 250.43,157.24 250.43,160.74 SW42.2
Net-(D43-Pad2): length 10.7
  Bottom w1.24: D43.2 256.57,115 251.36,120.22 SW43.2
Net-(D44-Pad2): length 12.2
  Bottom w1.24: SW45.2 268.35,41.69 272.62,45.96 D44.2
Net-(D45-Pad2): length 10.4
  Bottom w1.24: D45.2 256.45,82 251.46,86.99 SW44.2
Net-(D46-Pad2): length 11.3
  Bottom w1.24: SW46.2 256.25,62.21 260,65.96 D46.2
Net-(D47-Pad2): length 12
  Top w1.24: SW47.2 247.65,29.99 251.62,33.96 D47.2
Net-(D48-Pad1): length 4.3
  Top w1.24: D48.1 338.36,210.66 336.92,209.22 R1.1
Net-(D49-Pad1): length 5.4
  Bottom w1.24: D49.1 370.62,209 R2.1
Net-(D50-Pad1): length 6.1
  Bottom w1.24: D50.1 400.32,209 R4.1
Net-(D51-Pad1): length 3.7
  Bottom w1.24: D51.1 424.18,209.28 R6.1
Net-(D52-Pad1): length 5.7
  Bottom w1.24: D52.1 110.2,209.66 109.63,209.66 108.92,208.94 R7.2
Net-(D53-Pad1): length 5.9
  Bottom w1.24: D53.1 82.4,209.85 81.83,209.85 80.92,208.94 R8.2
Net-(D54-Pad1): length 7.6
  Bottom w1.24: D54.1 53.1,209.66 55.06,207.7 55.06,207 R10.2
Net-(D55-Pad1): length 7.7
  Bottom w1.24: R12.2 28,208.94 26.79,210.16 24.9,210.16 D55.1
Net-(D56-Pad2): length 12.9
  Bottom w1.24: D56.2 206.57,37 206.57,36.75 SW50.2
Net-(D57-Pad2): length 13.6
  Bottom w1.24: SW51.2 190.56,61.98 198.57,70 D57.2
Net-(D58-Pad2): length 10.5
  Bottom w1.24: D58.2 201,83.04 199.69,83.04 195.5,87.24 SW54.2
Net-(D59-Pad2): length 10.3
  Bottom w1.24: D59.2 198.95,115 195.28,118.68 SW53.2
Net-(D60-Pad2): length 21.4
  Bottom w1.24: SW52.2 194.38,161.73 198.99,161.73 200.92,159.8 200.92,150.75 202.62,149.05 D60.2
Net-(D61-Pad2): length 13.8
  Top w1.24: SW55.2 182.34,41.38 187.95,47 D61.2
Net-(D62-Pad2): length 18
  Top w1.24: D62.2 178.62,125.04 170.88,132.78 170.88,136.84 SW58.2
Net-(D63-Pad2): length 16.8
  Bottom w1.24: SW56.2 170.55,113.18 170.55,109.12 177.62,102.04 D63.2
Net-(D64-Pad2): length 16.5
  Bottom w1.24: SW57.2 170.99,160.64 170.99,157.06 178,150.05 D64.2
Net-(D65-Pad2): length 16.5
  Bottom w1.24: SW59.2 170.74,89.39 170.74,86.5 178.2,79.04 178.62,79.04 D65.2
Net-(D66-Pad2): length 20.8
  Top w1.24: D66.2 202.62,178.05 200.92,179.75 200.92,188.25 198.97,190.2 194.35,190.2 SW60.2
Net-(D67-Pad2): length 14
  Bottom w1.24: D67.2 164.63,60 SW65.2
Net-(D68-Pad2): length 16.3
  Bottom w1.24: D68.2 154.62,151.05 153.85,151.05 146.99,157.91 146.99,160.75 SW62.2
Net-(D69-Pad2): length 16.9
  Bottom w1.24: D69.2 154.62,126.04 146.94,133.72 146.94,137.09 SW63.2
Net-(D70-Pad2): length 16.9
  Bottom w1.24: D70.2 154,102.04 146.74,109.3 146.74,113.29 SW61.2
Net-(D71-Pad2): length 16.1
  Bottom w1.24: SW64.2 146.65,89.38 146.65,86.4 154,79.04 D71.2
Net-(D72-Pad2): length 17.2
  Bottom w1.24: D72.2 173.62,178.05 165.99,185.68 165.99,189.05 SW66.2
Net-(D73-Pad2): length 16.9
  Top w1.24: SW69.2 123.15,163.18 123.15,159.52 130.62,152.05 D73.2
Net-(D74-Pad2): length 17.2
  Bottom w1.24: SW67.2 123.09,115.34 123.09,110.96 130,104.04 D74.2
Net-(D75-Pad2): length 15.9
  Bottom w1.24: SW71.2 123.28,91.44 123.28,88.61 129.85,82.04 130.62,82.04 D75.2
Net-(D76-Pad2): length 15.9
  Bottom w1.24: SW68.2 123.15,67.88 123.15,64.99 130.09,58.04 130.62,58.04 D76.2
Net-(D77-Pad2): length 17.2
  Bottom w1.24: SW70.2 123.05,139.38 123.05,135.62 130.62,128.04 D77.2
Net-(D78-Pad2): length 16.7
  Bottom w1.24: SW72.2 137.78,189.34 137.78,183.88 143.62,178.05 D78.2
Net-(D79-Pad2): length 17.1
  Bottom w1.24: D79.2 106,154.05 99.25,160.8 99.25,165.68 SW75.2
Net-(D80-Pad2): length 17.5
  Bottom w1.24: D80.2 106.43,130.04 99.49,136.99 99.49,141.64 SW76.2
Net-(D81-Pad2): length 17.7
  Bottom w1.24: D81.2 106.62,106.04 99.15,113.52 99.15,117.98 SW73.2
Net-(D82-Pad2): length 16.1
  Bottom w1.24: D82.2 106.62,84.04 106.51,84.04 99.15,91.41 99.15,94.28 SW77.2
Net-(D83-Pad2): length 16.1
  Bottom w1.24: SW74.2 99.14,70.29 99.14,67.42 106.51,60.04 106.62,60.04 D83.2
Net-(D84-Pad2): length 17.3
  Bottom w1.24: SW78.2 109.09,189.25 109.09,185.58 116.62,178.05 D84.2
Net-(D85-Pad2): length 17.3
  Bottom w1.24: D85.2 83,104.04 75.78,111.26 75.78,115.34 SW79.2
Net-(D86-Pad2): length 15.7
  Top w1.24: D86.2 82.62,58.04 82.49,58.04 75.69,64.85 75.69,67.75 SW80.2
Net-(D87-Pad2): length 17
  Bottom w1.24: D87.2 83.62,152.05 75.88,159.78 75.88,162.84 SW81.2
Net-(D88-Pad2): length 18
  Top w1.24: SW82.2 75.35,139.28 75.35,134.51 82.81,127.04 D88.2
Net-(D89-Pad2): length 15.7
  Bottom w1.24: SW83.2 75.35,91.78 75.35,88.89 82.2,82.04 82.62,82.04 D89.2
Net-(D90-Pad2): length 18.1
  Top w1.24: D90.2 87.62,177.05 80.25,184.42 80.25,189.38 SW84.2
Net-(D91-Pad2): length 15.8
  Bottom w1.24: SW86.2 51.45,63.18 51.45,60.22 58.62,53.04 D91.2
Net-(D92-Pad2): length 17.2
  Bottom w1.24: SW87.2 51.64,158.29 51.64,155.02 59.62,147.05 D92.2
Net-(D93-Pad2): length 17.2
  Bottom w1.24: D93.2 58.62,123.04 51.55,130.12 51.55,134.58 SW88.2
Net-(D94-Pad2): length 16.7
  Bottom w1.24: D94.2 59.62,100.04 52.19,107.48 52.19,110.65 SW85.2
Net-(D95-Pad2): length 15.7
  Bottom w1.24: D95.2 58.62,77.04 51.88,83.78 51.88,86.94 SW89.2
Net-(D96-Pad2): length 18.7
  Top w1.24: D96.2 58,176.05 51.69,182.36 51.69,189.14 SW90.2
Net-(D97-Pad2): length 15.6
  Bottom w1.24: D97.2 34.62,53.04 27.75,59.92 27.75,63.08 SW92.2
Net-(D98-Pad2): length 16.6
  Bottom w1.24: SW91.2 23.04,110.79 23.04,107.62 30.62,100.04 D98.2
Net-(D99-Pad2): length 16.1
  Bottom w1.24: SW95.2 22.94,86.99 22.94,84.2 30.09,77.04 30.62,77.04 D99.2
Net-(D100-Pad2): length 17.3
  Bottom w1.24: D100.2 30.62,147.05 23.28,154.38 23.28,158.25 SW93.2
Net-(D101-Pad2): length 16.6
  Bottom w1.24: SW94.2 23.48,134.34 23.48,128.56 29,123.04 D101.2
Net-(D102-Pad2): length 19.3
  Top w1.24: D102.2 30.62,176.05 23.08,183.58 23.08,189.25 SW96.2
Net-(SW49-Pad1): length 62.3
  Top w1.24: v1(158.42,197.49) 160.91,195 193.73,195 U2.30
  Bottom w1.24: SW49.1 156.51,197.49 v1(158.42,197.49)

## Copper pours and planes (outline as drawn; the poured copper is in the pictures)
GNDL on Top, Bottom: 223.8,0 -0.2,0 -0.2,236 223.5,236
GNDR on Top, Bottom: 447,0 228,0 227.5,236 447,236

## Text on the board
F.Silkscreen: OMIT R11,R9 IF SERIAL COMM. | OMIT R5,R3 IF SERIAL COMM. | https://github.com/Supermagnum/Europe-ergo
